# Altium PCB 2019.06.16.master.PcbDoc (part 3 of 5) (continued)
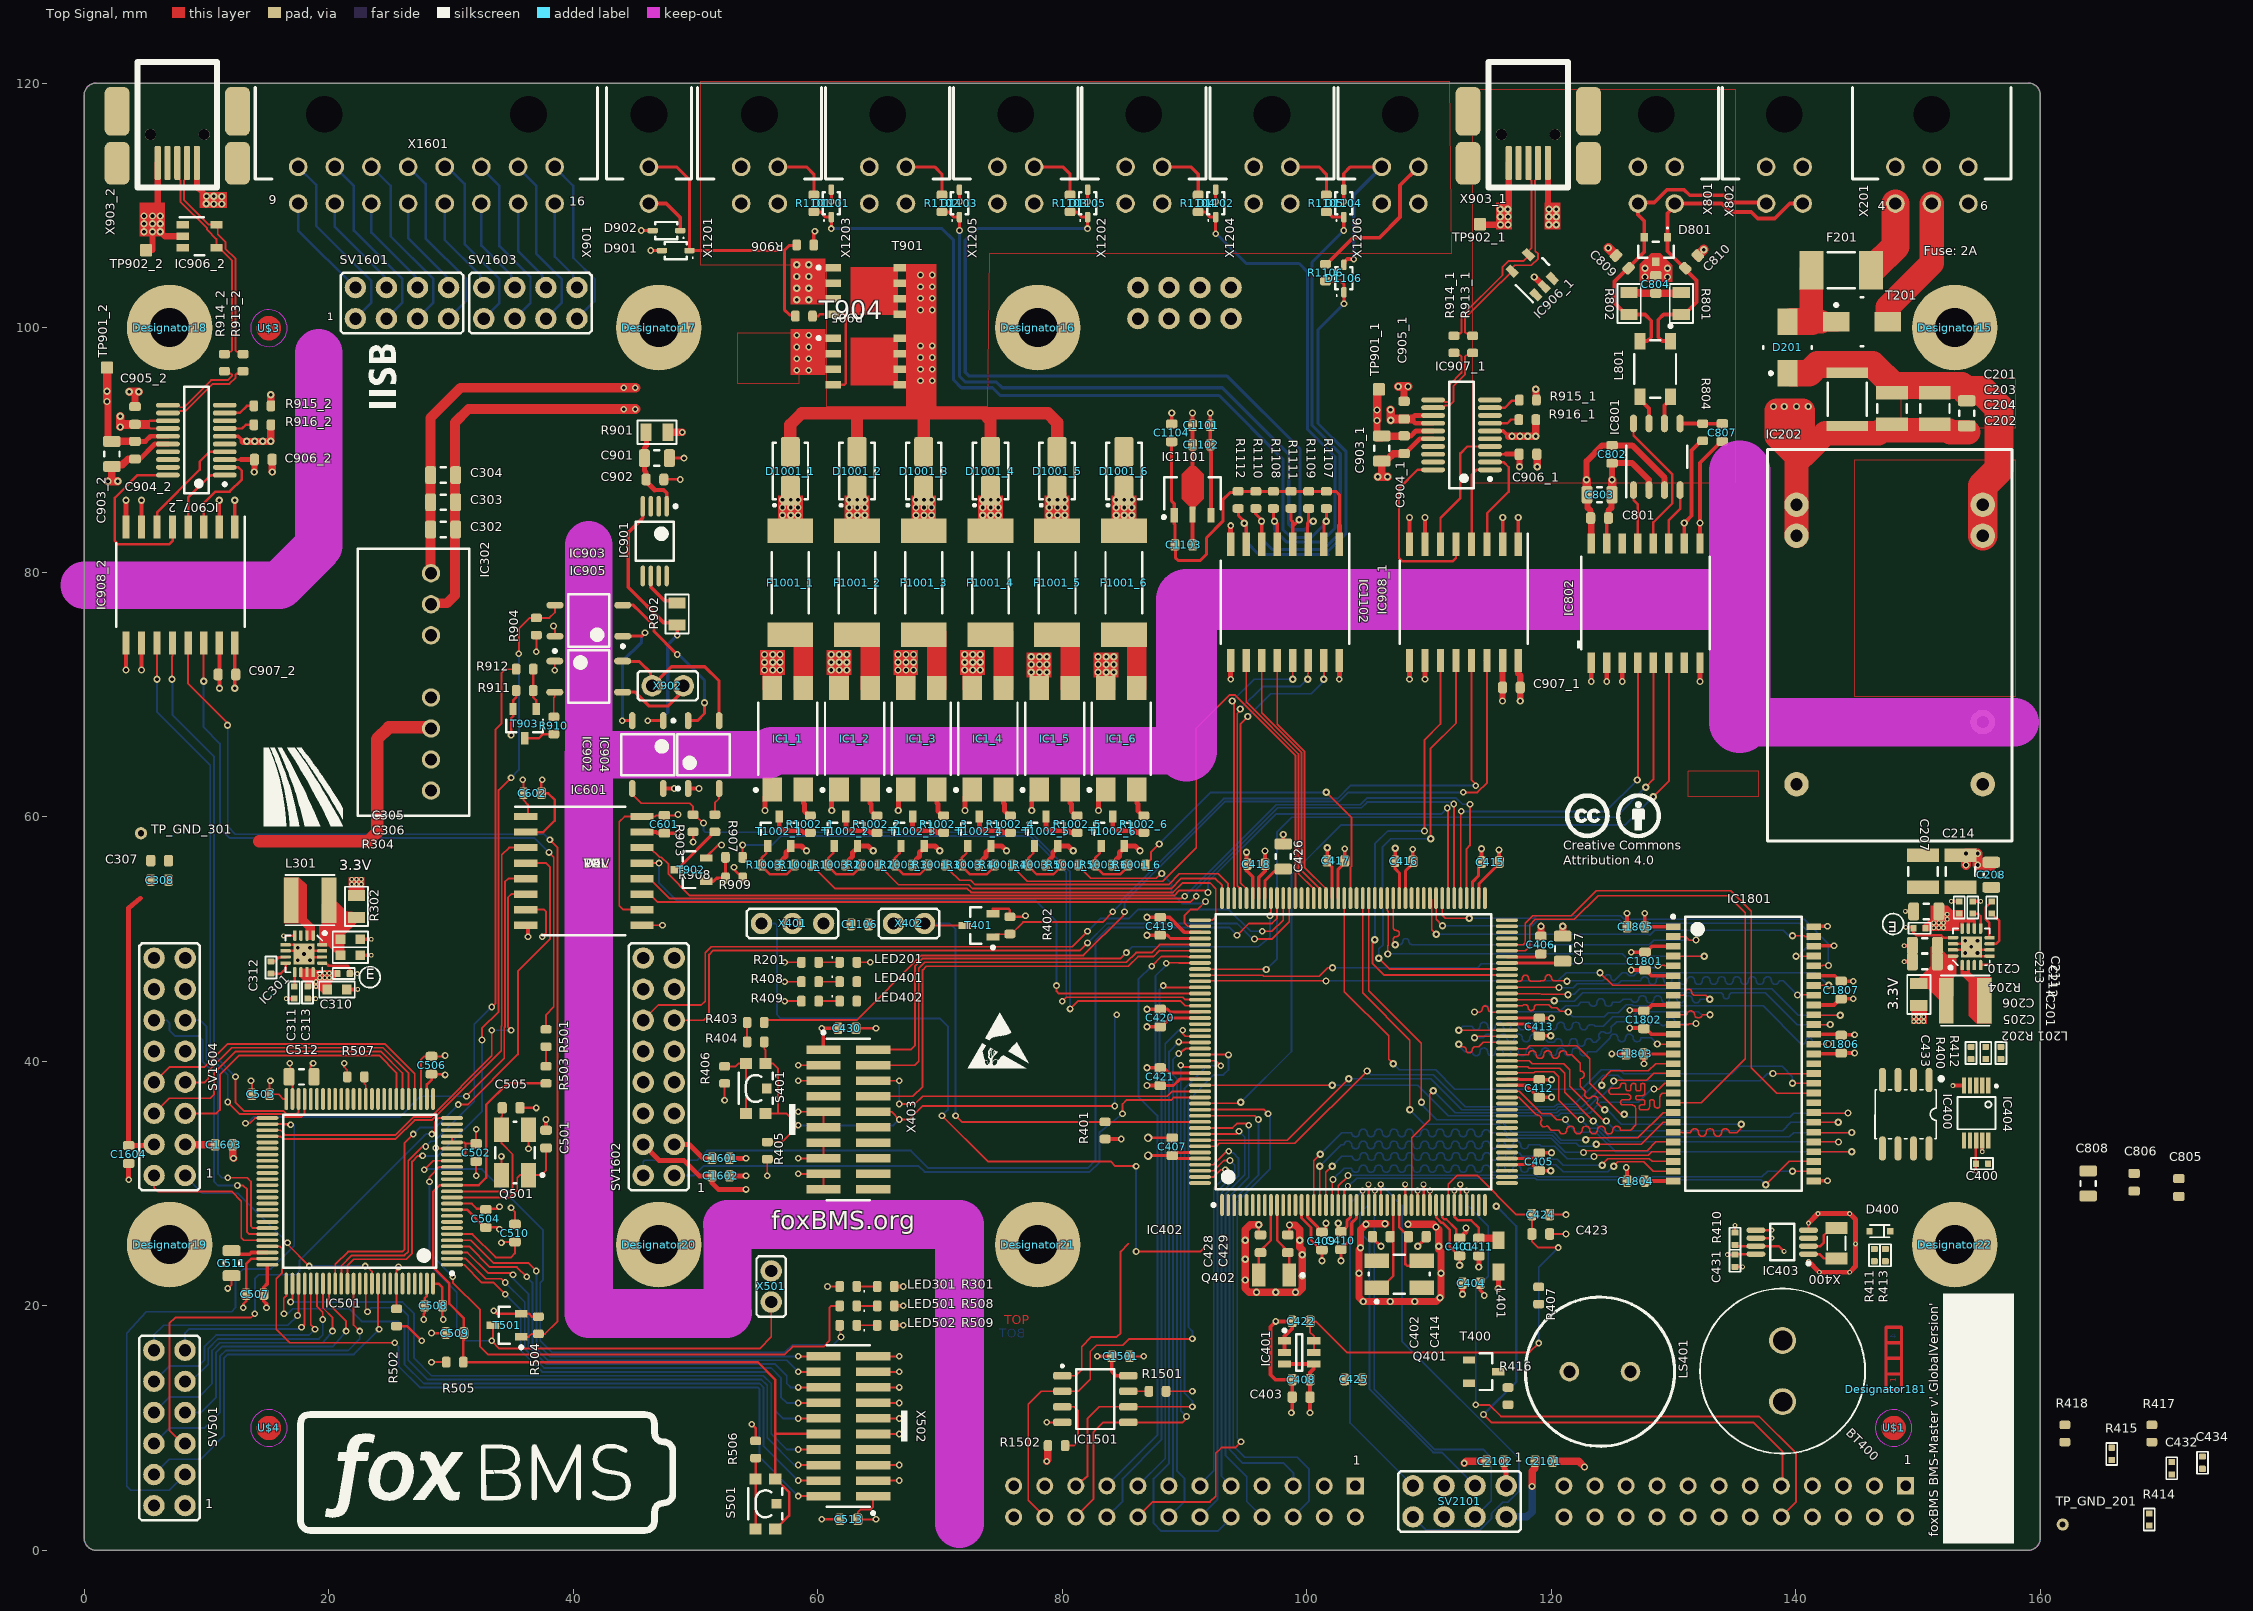
[diagram p0: Top Signal view]
## Nets (pads, with @x,y where several pads share a name; then routed paths per layer and width w, separated by ;. In a path a pad name is that pad's centre, name@x,y a point inside that pad or via, vN(x,y) a via of type N, cw(c..) or ccw(c..) an arc to the next point about the centre after c; other vN are vias at no path point) (continued)
  other v1: 57.125,84.658 57.785,84.658 58.395,84.658 57.125,85.289 57.785,85.289 58.395,85.289 57.125,85.925 57.785,85.925 58.395,85.925
CONTACTOR_0_CONTROL: IC402.133 R1001_1.2 | length 38.2
  Top Signal w0.152: R1001_1.2@59.507,56.038 61.426,54.119 72.231,54.119 72.549,53.801 89.059,53.801 89.842,54.585 92.085,54.585 92.551,54.119 92.551,51.811 92.274,51.534 IC402.133@91.273,51.534
CONTACTOR_0_FEEDBACK: IC402.128 IC1102.15 | length 24.5
  Top Signal w0.152: IC402.128@95.073,53.334 95.073,54.084 94.569,54.587 94.569,67.569 v1(95.186,68.186) ; v1(101.397,71.234) IC1102.15@101.397,72.769
  Bottom Signal w0.152: v1(95.186,68.186) 97.053,70.053 100.381,70.053 101.397,71.069 v1(101.397,71.234) v1@101.397,71.272
CONTACTOR_0_FEEDBACK_EXT: R1101.1 X1201.2 | length 4.9
  Top Signal w0.152: X1201.2@56.745,113.06 56.832,113.06 X1201.2@56.832,113.14
  Top Signal w0.254: X1201.2@56.745,113.14 56.832,113.14 59.089,113.14 59.69,112.539 R1101.1@59.69,111.007
CONTACTOR_1_COIL_POS: D1001_2.1 F1001_2.2 X1203.3 | length 28.2
  Top Signal w1.5: F1001_2.2@63.216,83.371 63.216,84.658 D1001_2.1@63.216,86.333
  Inner Signal w3: v1(63.241,85.289) v1(63.241,85.925) 63.241,92.045 64.223,93.027 X1203.3@64.223,110.145
  other v1: 62.581,84.658 63.241,84.658 63.851,84.658 62.581,85.289 63.851,85.289 62.581,85.925 63.851,85.925
CONTACTOR_1_CONTROL: IC402.132 R1001_2.2 | length 30.3
  Top Signal w0.152: R1001_2.2@64.983,56.058 66.608,54.432 72.349,54.432 72.663,54.119 88.9,54.119 89.712,54.931 92.533,54.931 93.072,54.391 IC402.132@93.072,53.534
CONTACTOR_1_FEEDBACK: IC402.129 IC1102.14 | length 23.6
  Top Signal w0.152: v1(94.566,68.806) 94.566,68.685 94.317,68.436 94.317,54.363 94.573,54.107 IC402.129@94.573,53.534 ; v1(100.076,71.234) 100.081,71.24 100.081,71.672 100.127,71.717 IC1102.14@100.127,72.769
  Bottom Signal w0.152: v1(94.566,68.806) 96.397,70.637 99.441,70.637 100.076,71.272 v1@100.076,71.298
CONTACTOR_1_FEEDBACK_EXT: R1102.1 X1203.2 | length 4.8
  Top Signal w0.152: X1203.2@67.223,113.06 X1203.2@67.223,113.14
  Top Signal w0.254: X1203.2@67.223,113.14 69.566,113.14 70.168,112.539 R1102.1@70.168,111.007
CONTACTOR_2_COIL_POS: D1001_3.1 F1001_3.2 X1205.3 | length 30.3
  Top Signal w1.5: F1001_3.2@68.672,83.371 68.672,84.658 D1001_3.1@68.672,86.333
  Inner Signal w3: v1(68.697,85.289) v1(68.697,85.925) 68.697,87.722 72.542,91.567 72.542,102.669 74.701,104.828 X1205.3@74.701,110.145
  other v1: 68.037,84.658 68.697,84.658 69.307,84.658 68.037,85.289 69.307,85.289 68.037,85.925 69.307,85.925
CONTACTOR_2_CONTROL: IC402.131 R1001_3.2 | length 25.6
  Top Signal w0.152: R1001_3.2@70.439,56.058 70.439,55.958 70.809,55.587 70.812,55.587 71.603,54.796 72.506,54.796 72.866,54.436 88.7,54.436 89.587,55.324 92.775,55.324 93.573,54.526 IC402.131@93.573,53.534
CONTACTOR_2_FEEDBACK: IC402.130 IC1102.13 | length 23.2
  Top Signal w0.152: v1(93.916,69.457) 93.916,69.336 94.063,69.189 94.063,53.543 IC402.130@94.072,53.534 ; v1(98.857,71.234) IC1102.13@98.857,72.769
  Bottom Signal w0.152: v1(93.916,69.457) 95.694,71.234 v1(98.857,71.234)
CONTACTOR_2_FEEDBACK_EXT: R1103.1 X1205.2 | length 4.8
  Top Signal w0.152: X1205.2@77.7,113.06 X1205.2@77.7,113.14
  Top Signal w0.254: X1205.2@77.7,113.14 80.044,113.14 80.645,112.539 R1103.1@80.645,111.007
CONTACTOR_3_COIL_POS: D1001_4.1 F1001_4.2 X1202.3 | length 32.4
  Top Signal w1.5: F1001_4.2@74.128,83.371 74.128,84.658 D1001_4.1@74.128,86.333
  Inner Signal w3: v1(74.154,85.289) v1(74.154,85.925) 74.154,87.565 83.312,96.723 83.312,105.334 85.178,107.2 X1202.3@85.178,110.145
  other v1: 73.493,84.658 74.154,84.658 74.763,84.658 73.493,85.289 74.763,85.289 73.493,85.925 74.763,85.925
CONTACTOR_3_CONTROL: IC402.120 R1001_4.2 | length 49.6
  Top Signal w0.152: R1001_4.2@75.895,56.058 75.895,55.958 77.141,54.712 88.213,54.712 90.96,57.459 90.96,67.213 93.708,69.96 94.124,69.96 99.072,65.012 IC402.120@99.072,53.334
CONTACTOR_3_FEEDBACK: IC402.115 IC1102.12 | length 21.1
  Top Signal w0.152: IC1102.12@97.587,72.769 97.587,67.568 99.83,65.326 99.83,55.827 101.573,54.084 IC402.115@101.573,53.334
CONTACTOR_3_FEEDBACK_EXT: R1104.2 X1202.2 | length 4.8
  Top Signal w0.152: X1202.2@88.178,113.06 X1202.2@88.178,113.14
  Top Signal w0.254: X1202.2@88.178,113.14 90.521,113.14 91.123,112.539 R1104.2@91.123,111.007
CONTACTOR_4_COIL_POS: D1001_5.1 F1001_5.2 X1204.3 | length 39.4
  Top Signal w1.5: F1001_5.2@79.584,83.371 79.584,85.289 D1001_5.1@79.584,86.333
  Inner Signal w3: v1(79.61,85.289) v1(79.61,85.925) 79.61,87.23 89.179,96.799 95.047,96.799 97.485,99.238 97.485,106.197 95.656,108.027 X1204.3@95.656,110.145
  other v1: 78.949,84.658 79.61,84.658 80.219,84.658 78.949,85.289 80.219,85.289 78.949,85.925 80.219,85.925
CONTACTOR_4_CONTROL: IC402.134 R1001_5.2 | length 17.3
  Top Signal w0.152: R1001_5.2@81.351,56.058 81.351,55.958 82.345,54.964 87.706,54.964 88.09,55.348 v1(88.138,55.348) ; IC402.134@91.273,51.034 90.271,51.034 90.011,51.293 90.011,51.937 90.475,52.4 91.059,52.4 v1(91.719,53.061)
  Bottom Signal w0.152: v1(88.138,55.348) 88.924,54.562 88.924,53.777 89.806,52.895 91.885,52.895 v1(91.719,53.061) v1@91.588,53.192
CONTACTOR_4_FEEDBACK: IC402.116 IC1102.11 | length 21.2
  Top Signal w0.152: IC1102.11@96.317,72.769 96.317,68.482 99.577,65.221 99.577,55.579 101.072,54.084 IC402.116@101.072,53.534
CONTACTOR_4_FEEDBACK_EXT: R1105.2 X1204.2 | length 4.9
  Top Signal w0.152: X1204.2@98.655,113.06 98.742,113.06 X1204.2@98.742,113.14
  Top Signal w0.254: X1204.2@98.655,113.14 98.742,113.14 100.999,113.14 101.6,112.539 R1105.2@101.6,111.007
CONTACTOR_5_COIL_POS: D1001_6.1 F1001_6.2 X1206.3 | length 40.4
  Top Signal w1.5: F1001_6.2@85.04,83.371 D1001_6.1@85.04,86.333
  Inner Signal w3: v1(85.066,85.289) v1(85.066,85.925) 85.066,87.123 88.214,90.272 94.793,90.272 106.133,101.612 X1206.3@106.133,110.145
  other v1: 84.405,84.658 85.066,84.658 85.675,84.658 84.405,85.289 85.675,85.289 84.405,85.925 85.675,85.925
CONTACTOR_5_CONTROL: IC402.111 R1001_6.2 | length 27.2
  Top Signal w0.152: R1001_6.2@86.807,56.058 86.807,56.104 87.114,56.411 87.17,56.411 87.259,56.501 87.259,57.08 v1(87.947,57.769) ; v1(101.6,61.985) 103.664,59.922 103.664,55.95 103.573,55.859 IC402.111@103.573,53.334
  Bottom Signal w0.152: v1(87.947,57.769) 92.164,61.985 v1(101.6,61.985)
CONTACTOR_5_FEEDBACK: IC402.117 IC1102.10 | length 21.5
  Top Signal w0.152: IC1102.10@95.047,72.769 95.047,69.395 99.325,65.116 99.325,55.331 100.573,54.084 IC402.117@100.573,53.534
CONTACTOR_5_FEEDBACK_EXT: R1106.2 X1206.2 | length 13
  Top Signal w0.305: R1106.2@101.433,105.193 R1106.2@101.533,105.193 101.633,105.193 103.781,107.34 105.94,107.34 107.632,109.032 107.632,111.643 X1206.2@109.132,113.142 X1206.2@109.614,113.142
CONTACTOR_6_CONTROL: IC402.139 JP2201.17 | length 49.6
  Top Signal w0.152: v2(87.312,47.769) 88.104,48.56 90.244,48.56 90.271,48.534 IC402.139@91.273,48.534
  Bottom Signal w0.152: JP2201.17@83.65,5.27 87.789,9.409 87.789,35.547 86.233,37.102 86.233,46.689 v2(87.312,47.769)
CONTACTOR_6_FEEDBACK: IC402.140 JP2201.18 | length 50.5
  Top Signal w0.152: v2(88.519,48.006) 88.565,48.052 89.511,48.052 89.529,48.034 IC402.140@91.273,48.034
  Bottom Signal w0.152: JP2201.18@83.65,2.73 84.931,4.011 84.931,5.859 88.106,9.034 88.106,37.926 87.63,38.403 87.63,46.975 88.519,47.864 v2(88.519,48.006)
CONTACTOR_7_CONTROL: IC402.144 JP2201.15 | length 45
  Top Signal w0.152: v2(88.265,46.181) 88.413,46.034 IC402.144@91.072,46.034
  Bottom Signal w0.152: JP2201.15@86.19,5.27 88.424,7.504 88.424,38.085 87.947,38.561 87.947,45.864 v2(88.265,46.181)
CONTACTOR_7_FEEDBACK: IC402.164 JP2201.16 | length 47.1
  Top Signal w0.152: JP2201.16@86.19,2.73 87.414,3.954 92.075,3.954 92.551,4.43 92.551,7.923 93.027,8.399 94.139,8.399 v2(94.615,8.875) ; IC402.164@91.072,36.034 96.508,36.034 v2(96.837,35.704)
  Bottom Signal w0.152: v2(94.615,8.875) 94.31,9.18 94.31,28.497 96.996,31.183 96.996,35.545 v2(96.837,35.704)
CONTACTOR_8_CONTROL: IC402.44 JP2202.9 | length 47.4
  Top Signal w0.152: v2(114.459,11.098) 115.094,10.463 136.525,10.463 138.906,8.081 138.906,5.366 JP2202.9@138.812,5.272 JP2202.9@138.81,5.27
  Bottom Signal w0.2: v2(114.459,11.098) 117.136,13.775 117.136,26.501 v1(115.494,28.143)
CONTACTOR_8_FEEDBACK: IC402.45 JP2202.12 | length 0
  Bottom Signal w0.152: JP2202.12@136.27,2.73 JP2202.12@136.272,2.732
CONTACTOR_FEEDBACK_SUPPLY_EXT: C1103.1 C1104.1 IC1101.1 IC1102.1 R1107.2 R1108.2 R1109.2 R1110.2 R1111.2 R1112.2 | length 31.5
  Top Signal w0.254: C1104.1@88.951,90.664 88.951,85.801 89.161,85.591 IC1101.1@89.161,84.651 89.161,83.95 89.211,83.9 C1103.1@89.211,82.224 89.256,82.18 89.256,81.178 89.484,80.95 91.288,80.95 91.796,81.458 91.796,82.804 93.142,84.15 93.142,85.91 93.746,86.514 94.298,86.514 R1112.2@94.386,86.603 R1110.2@95.829,86.603 R1108.2@97.272,86.603 R1111.2@98.715,86.603 R1109.2@100.157,86.603 R1107.2@101.6,86.603 102.397,86.603 102.667,86.333 102.667,83.803
  Top Signal w0.4: IC1102.1@102.667,82.269 102.667,83.803
CONTACTORS_COMMON_NEG: D1001_1.2 D1001_2.2 D1001_3.2 D1001_4.2 D1001_5.2 D1001_6.2 T901.5 T901.6 T901.7 T901.8 T904.5 T904.6 T904.7 T904.8 X1201.4 X1202.4 X1203.4 X1204.4 X1205.4 X1206.4 | length 40.1
  Top Signal w1: D1001_1.2@57.76,89.84 57.76,92.05 58.699,92.989 63.216,92.989 ; D1001_2.2@63.216,89.84 63.216,92.989 ; D1001_3.2@68.672,89.84 68.672,92.989 ; 68.859,94.412 68.672,94.224 ; D1001_4.2@74.128,89.84 74.128,92.404 73.542,92.989 ; D1001_5.2@79.584,89.84 79.584,92.247 78.842,92.989 73.542,92.989 ; 63.216,92.989 67.437,92.989 ; 67.437,92.989 68.672,92.989 ; 67.437,92.989 68.672,94.224 ; 68.672,92.989 68.672,94.224 ; 68.672,92.989 73.542,92.989
  other v2: 68.402,95.644 69.367,95.644 68.402,96.596 69.367,96.596 68.402,97.549 69.367,97.549 68.402,98.501 69.367,98.501 68.402,101.435 69.367,101.435 68.402,102.387 69.367,102.387 68.402,103.34 69.367,103.34 68.402,104.292 69.367,104.292
D_1_N: IC906_1.5 R913_1.2 X903_1.2 | length 18.2
  Top Signal w0.152: R913_1.2@113.569,99.328 113.377,99.52 113.044,99.52 112.955,99.609 112.955,100.806 115.849,103.7 115.849,103.672 IC906_1.5@116.796,104.618 IC906_1.5@116.796,104.904 ; IC906_1.5@116.796,104.935 IC906_1.5@116.796,104.904 ; X903_1.2@118.92,113.464 118.92,112.299 118.672,112.051 118.672,111.425 118.682,111.415 118.682,106.26 118.92,106.023 118.92,105.647 118.373,105.1 116.992,105.1 IC906_1.5@116.796,104.904
D_1_P: IC906_1.4 R914_1.2 X903_1.3 | length 18
  Top Signal w0.152: R914_1.2@112.037,99.328 112.229,99.52 112.561,99.52 112.65,99.609 112.65,100.932 116.016,104.298 116.016,104.971 116.48,105.435 117.69,105.435 118.14,105.885 IC906_1.4@118.14,105.962 IC906_1.4@118.14,106.257 ; IC906_1.4@117.947,106.257 IC906_1.4@118.14,106.257 ; X903_1.3@118.12,113.464 118.12,112.299 118.368,112.051 118.368,111.299 118.377,111.289 118.377,106.505 118.14,106.268 IC906_1.4@118.14,106.257
D_2_N: IC906_2.5 R913_2.2 X903_2.2 | length 18.6
  Top Signal w0.152: X903_2.2@8.425,113.464 8.425,112.299 8.177,112.051 8.177,110.429 10.189,108.417 IC906_2.5@10.824,108.417 11.024,108.417 10.824,108.217 10.936,108.105 10.936,107.631 11.557,107.01 11.557,106.451 12.391,105.616 12.391,98.111 12.481,98.021 12.813,98.021 R913_2.2@13.005,97.83
D_2_P: IC906_2.4 R914_2.2 X903_2.3 | length 18.7
  Top Signal w0.152: X903_2.3@7.625,113.464 7.625,112.299 7.873,112.051 7.873,110.303 10.058,108.117 10.058,108.001 10.824,107.235 10.824,106.661 10.68,106.517 IC906_2.4@10.824,106.517 11.024,106.517 11.248,106.741 11.248,106.329 12.086,105.49 12.086,98.111 11.997,98.021 11.665,98.021 R914_2.2@11.473,97.83
DATA_STORAGE_SPI_EEPROM_CS: IC402.7 IC1501.1 | length 14.9
  Top Signal w0.152: IC1501.1@79.969,14.273 IC1501.1@80.009,14.273 81.121,14.273 81.597,14.749 81.597,16.654 82.391,17.448 84.455,17.448 84.772,17.765 84.772,24.433 85.407,25.068
DATA_STORAGE_SPI_Memory_NSS: IC402.11 JP2201.24
DATA_STORAGE_SPI_MISO: IC402.155 IC1501.2 JP2201.22 | length 54.5
  Top Signal w0.152: JP2201.22@78.57,2.729 77.216,4.083 77.216,11.938 78.281,13.003 IC1501.2@80.009,13.003 81.329,13.003 82.296,13.97 82.296,16.256 82.804,16.764 84.963,16.764 85.488,17.289 v2(90.646,17.289) ; IC402.155@91.072,40.534 93.578,40.534 v2(93.599,40.513)
  Bottom Signal w0.152: v2(90.646,17.289) 90.646,17.924 90.329,18.241 90.329,36.815 92.392,38.879 93.186,38.879 93.599,39.292 v2(93.599,40.513)
DATA_STORAGE_SPI_MOSI: IC402.157 IC1501.5 JP2201.20 | length 46.1
  Top Signal w0.152: JP2201.20@81.11,2.73 82.55,4.17 82.55,9.669 83.344,10.463 IC1501.5@85.409,10.463 89.852,10.463 90.17,10.78 v2(90.17,10.939) ; v2(89.694,39.673) 89.832,39.534 IC402.157@91.072,39.534
  Bottom Signal w0.152: v2(89.694,39.673) 89.694,11.415 v2(90.17,10.939)
DATA_STORAGE_SPI_SCK: IC402.156 IC1501.6 JP2201.19 | length 46.8
  Top Signal w0.152: JP2201.19@81.11,5.27 82.074,6.075 82.074,10.78 83.026,11.733 IC1501.6@85.409,11.733 v2(90.646,11.733) ; IC402.156@91.273,40.034 92.554,40.034 v2(92.964,39.624)
  Bottom Signal w0.152: v2(90.646,11.733) 90.646,12.209 90.011,12.844 90.011,37.768 91.868,39.624 v2(92.964,39.624)
DEBUG_LED_0_MCU_0: IC402.35 LED402.2 | length 1.3
  Top Signal w0.2: IC402.35@110.073,28.234 v4@110.073,29.52
  other v4: 110.073,29.412
DEBUG_LED_0_MCU_1: IC501.18 LED502.2 | length 50.3
  Top Signal w0.152: v2(27.813,31.115) 28.552,31.854 IC501.18@30.293,31.854 ; LED502.2@61.8,18.4 61.8,17.56 v2(61.912,17.448)
  Bottom Signal w0.152: v2(27.813,31.115) 27.876,31.178 32.535,31.178 37.543,26.17 37.543,22.129 37.306,21.893 37.306,17.13 38.259,16.178 57.309,16.178 57.944,16.813 61.277,16.813 v2(61.912,17.448)
DEBUG_LED_1_MCU_0: IC402.34 LED401.2 | length 1.7
  Top Signal w0.2: IC402.34@109.573,28.234 v4@109.572,29.903
  other v4: 109.549,29.926
DEBUG_LED_1_MCU_1: IC501.17 LED501.2 | length 50.8
  Top Signal w0.152: v2(28.258,30.148) 28.258,30.543 29.068,31.354 IC501.17@30.293,31.354 ; v2(30.162,22.369) 30.162,21.893 32.385,19.67 32.385,16.654 33.02,16.019 57.309,16.019 57.944,16.654 60.484,16.654 60.96,17.13 60.96,19.829 61.119,19.988 LED501.2@61.75,19.988
  Bottom Signal w0.152: v2(28.258,30.148) 28.258,24.274 v2(30.162,22.369)
EN_3.3_0: IC201.13 R204.1 | length 4.4
  Top Signal w0.2: v3(148.988,50.947) R204.1@149.615,50.947 ; R204.1@149.614,50.876 149.614,50.522 149.839,50.297 151.875,50.297 152.075,50.097 IC201.13@152.881,50.097
EN_3.3_1: IC301.13 R304.1 | length 3.4
  Top Signal w0.2: IC301.13@19.458,48.018 19.783,48.018 19.983,47.818 21.533,47.818 21.733,47.618 R304.1@21.733,47.268 ; R304.1@21.733,47.168 v3(22.361,47.168)
FB_EXT_0: D1101.1 IC1102.2 R1101.2 R1107.1 | length 67.3
  Top Signal w0.254: R1101.2@59.69,109.458 60.242,109.458 60.667,109.032 D1101.1@61.119,109.032 v2(61.119,108.094) ; IC1102.2@101.397,82.269 101.397,84.06 101.6,84.263 R1107.1@101.6,85.203
  Bottom Signal w0.254: v2(61.119,108.094) 70.168,108.094 71.12,107.141 71.12,95.711 71.755,95.076 74.295,95.076 74.93,94.441 92.833,94.441 98.044,89.23 98.044,83.49 98.71,82.824 100.371,82.824 101.698,84.15 v1@101.698,84.277
  other v1: 101.6,84.15
FB_EXT_1: D1103.1 IC1102.3 R1102.2 R1109.1 | length 55.4
  Top Signal w0.254: R1102.2@70.168,109.458 70.719,109.458 71.144,109.032 D1103.1@71.596,109.032 v2(71.596,107.935) ; IC1102.3@100.127,82.269 100.076,82.32 100.076,84.026 100.157,84.107 R1109.1@100.157,85.203
  Bottom Signal w0.254: v2(71.596,107.935) 71.596,96.029 72.072,95.553 74.612,95.553 75.089,95.076 93.096,95.076 98.527,89.646 98.527,83.922 98.984,83.464 99.847,83.464 v1(100.533,84.15)
FB_EXT_2: D1105.1 IC1102.4 R1103.2 R1111.1 | length 63.2
  Top Signal w0.254: R1103.2@80.645,109.458 81.197,109.458 81.622,109.032 D1105.1@82.074,109.032 v2(82.074,108.094) ; R1111.1@98.715,85.203 98.715,84.249 98.857,84.107 98.857,83.757 ; IC1102.4@98.857,82.269 98.857,83.757 ; v1(99.377,84.277) 98.857,83.757
  Bottom Signal w0.254: v2(82.074,108.094) 73.025,108.094 72.072,107.141 72.072,96.346 72.39,96.029 93.491,96.029 99.441,90.078 v1@99.441,84.277
FB_EXT_3: D1102.1 IC1102.5 R1104.1 R1108.1 | length 42.9
  Top Signal w0.254: R1104.1@91.123,109.457 91.674,109.457 92.099,109.032 D1102.1@92.551,109.032 v2(92.551,107.671) ; R1108.1@97.272,85.203 97.272,84.306 97.587,83.991 IC1102.5@97.587,82.269
  Bottom Signal w0.254: v2@92.616,107.671 95.051,105.236 99.377,105.236 100.076,104.538 100.076,91.669 102.311,89.433 102.311,83.591 101.19,82.47 98.327,82.47 97.358,83.439 v1@97.358,83.896
  other v1: 97.358,84.15
FB_EXT_4: D1104.1 IC1102.6 R1105.1 R1110.1 | length 41.1
  Top Signal w0.254: R1110.1@95.829,85.203 95.829,84.751 96.317,84.263 IC1102.6@96.317,82.269 ; R1105.1@101.6,109.457 101.7,109.457 102.125,109.032 D1104.1@103.029,109.032 v2(103.029,107.935)
  Bottom Signal w0.254: v1@96.291,83.896 96.291,82.728 97.155,81.864 101.397,81.864 102.743,83.21 102.743,89.687 100.43,92 100.43,105.336 v2(103.029,107.935)
  other v1: 96.291,84.15
FB_EXT_5: D1106.1 IC1102.7 R1106.1 R1112.1 | length 38
  Top Signal w0.254: R1112.1@94.386,85.203 94.417,85.172 94.417,84.621 95.047,83.991 IC1102.7@95.047,82.269 ; R1106.1@101.533,103.793 102.789,103.793 103.041,103.541 D1106.1@103.041,102.892 v2(103.041,101.953)
  Bottom Signal w0.254: v1@95.051,83.803 95.051,82.47 96.088,81.432 101.774,81.432 101.62,81.587 103.217,83.184 103.217,89.848 100.914,92.151 100.914,99.826 v2(103.041,101.953)
  other v1: 94.894,83.998
FMC_MCU_0_RAM_A0: IC402.16 IC1801.23 | length 41.7
  Top Signal w0.12: IC402.16@100.573,28.234 100.573,31.866 v1(101.092,32.385) ; v1@122.432,32.69 v1@122.437,32.694 ; v1(122.631,32.537) 122.594,32.537 v1@122.437,32.694 ; IC1801.23@129.966,33.396 128.544,33.396 127.838,32.69 123.693,32.69 123.689,32.694 123.286,32.694 123.281,32.69 122.845,32.69 122.84,32.694 v1@122.437,32.694
  Bottom Signal w0.12: v1(101.092,32.385) 102.845,34.138 103.049,34.138 103.677,34.138 ccw(c103.991,34.138) 104.305,34.138 cw(c104.619,34.138) 104.933,34.138 ccw(c105.247,34.138) 105.561,34.138 cw(c105.875,34.138) 106.189,34.138 ccw(c106.503,34.138) 106.817,34.138 cw(c107.131,34.138) 107.445,34.138 ccw(c107.759,34.138) 108.073,34.138 cw(c108.387,34.138) 108.701,34.138 ccw(c109.015,34.138) 109.329,34.138 cw(c109.643,34.138) 109.957,34.138 ccw(c110.271,34.138) 110.585,34.138 cw(c110.899,34.138) 111.213,34.138 ccw(c111.527,34.138) 111.841,34.138 cw(c112.155,34.138) 112.469,34.138 ccw(c112.783,34.138) 113.097,34.138 cw(c113.411,34.138) 113.725,34.138 ccw(c114.039,34.138) 114.353,34.138 cw(c114.667,34.078) 114.981,34.138 115.24,34.138 116.027,34.138 116.463,33.701 119.985,33.701 121.148,32.537 v1(122.631,32.537)
FMC_MCU_0_RAM_A1: IC402.17 IC1801.24 | length 42.6
  Top Signal w0.12: IC402.17@101.072,28.234 v1(101.072,31.418) 100.936,31.554 v1@101.244,31.554 ; v1(123.487,32.207) 123.589,32.309 127.945,32.309 128.231,32.596 IC1801.24@129.966,32.596
  Bottom Signal w0.12: v1(101.072,31.418) 102.802,33.147 103.049,33.147 cw(c103.363,33.147) 103.677,33.147 ccw(c103.991,33.147) 104.305,33.147 cw(c104.619,33.147) 104.933,33.147 ccw(c105.247,33.147) 105.561,33.147 cw(c105.875,33.147) 106.189,33.147 ccw(c106.503,33.147) 106.817,33.147 cw(c107.131,33.147) 107.445,33.147 ccw(c107.759,33.147) 108.073,33.147 cw(c108.387,33.147) 108.701,33.147 ccw(c109.015,33.147) 109.329,33.147 cw(c109.643,33.147) 109.957,33.147 ccw(c110.271,33.147) 110.585,33.147 cw(c110.899,33.147) 111.213,33.147 ccw(c111.527,33.147) 111.841,33.147 cw(c112.155,33.147) 112.469,33.147 ccw(c112.783,33.147) 113.097,33.147 cw(c113.411,33.147) 113.725,33.147 ccw(c114.039,33.147) 114.353,33.147 cw(c114.667,33.147) 114.981,33.147 ccw(c115.295,33.147) 115.609,33.147 cw(c115.923,33.147) 116.237,33.147 ccw(c116.551,33.147) 116.865,33.147 cw(c117.179,33.147) 117.493,33.147 ccw(c117.807,33.147) 118.121,33.147 118.389,33.147 119.075,33.147 119.177,33.045 120.301,33.045 121.313,32.034 123.314,32.034 v1(123.487,32.207)
FMC_MCU_0_RAM_A2: IC402.18 IC1801.25 | length 40.2
  Top Signal w0.12: IC402.18@101.573,28.234 101.573,30.918 v1(102.072,31.418) ; v1(124.153,31.491) 124.153,31.565 124.618,32.029 128.005,32.029 128.239,31.796 IC1801.25@129.966,31.796
  Bottom Signal w0.12: v1(102.072,31.418) 102.862,32.207 103.099,32.207 103.727,32.207 ccw(c104.041,32.207) 104.355,32.207 cw(c104.669,32.207) 104.983,32.207 ccw(c105.297,32.207) 105.611,32.207 cw(c105.925,32.207) 106.239,32.207 ccw(c106.553,32.207) 106.867,32.207 cw(c107.181,32.207) 107.495,32.207 ccw(c107.809,32.207) 108.123,32.207 cw(c108.437,32.207) 108.751,32.207 ccw(c109.065,32.207) 109.379,32.207 cw(c109.693,32.207) 110.007,32.207 ccw(c110.321,32.207) 110.635,32.207 cw(c110.949,32.207) 111.263,32.207 ccw(c111.577,32.207) 111.891,32.207 cw(c112.205,32.207) 112.519,32.207 ccw(c112.833,32.207) 113.147,32.207 cw(c113.461,32.207) 113.775,32.207 ccw(c114.089,32.207) 114.403,32.207 cw(c114.717,32.207) 115.031,32.207 ccw(c115.345,32.207) 115.659,32.207 cw(c115.973,32.207) 116.287,32.207 ccw(c116.601,32.207) 116.915,32.207 cw(c117.229,32.207) 117.543,32.207 118.135,32.207 118.547,32.207 118.765,31.99 120.494,31.99 120.993,31.491 v1(124.153,31.491)
FMC_MCU_0_RAM_A3: IC402.19 IC1801.26 | length 38.7
  Top Signal w0.12: IC402.19@102.072,28.234 102.072,30.244 v1(102.145,30.317) ; v1(125.103,31.418) 125.454,31.769 127.548,31.769 128.321,30.996 IC1801.26@129.966,30.996
  Bottom Signal w0.12: v1(102.145,30.317) 102.145,30.334 103.049,31.238 103.677,31.238 ccw(c103.991,31.238) 104.305,31.238 cw(c104.619,31.193) 104.933,31.238 ccw(c105.247,31.238) 105.561,31.238 cw(c105.875,31.193) 106.189,31.238 ccw(c106.503,31.238) 106.817,31.238 cw(c107.131,31.193) 107.445,31.238 ccw(c107.759,31.238) 108.073,31.238 cw(c108.387,31.193) 108.701,31.238 ccw(c109.015,31.238) 109.329,31.238 cw(c109.643,31.193) 109.957,31.238 ccw(c110.271,31.238) 110.585,31.238 cw(c110.899,31.193) 111.213,31.238 ccw(c111.527,31.238) 111.841,31.238 cw(c112.155,31.193) 112.469,31.238 ccw(c112.783,31.238) 113.097,31.238 cw(c113.411,31.193) 113.725,31.238 ccw(c114.039,31.238) 114.353,31.238 cw(c114.667,31.193) 114.981,31.238 ccw(c115.295,31.238) 115.609,31.238 cw(c115.923,31.193) 116.237,31.238 ccw(c116.551,31.238) 116.865,31.238 cw(c117.179,31.193) 117.493,31.238 ccw(c117.807,31.238) 118.121,31.238 118.491,31.238 118.639,31.238 118.948,31.547 120.376,31.547 120.981,30.941 124.626,30.941 v1(125.103,31.418)
FMC_MCU_0_RAM_A4: IC402.20 IC1801.29 | length 41.1
  Top Signal w0.12: IC402.20@102.573,28.234 102.573,29.792 103.378,30.597 v1(103.378,30.653) ; v1(139.725,30.996) IC1801.29@141.466,30.996
  Bottom Signal w0.12: v1(103.378,30.653) 103.378,30.631 103.403,30.656 118.778,30.656 118.901,30.534 137.232,30.534 137.693,30.996 v1(139.725,30.996)
FMC_MCU_0_RAM_A5: IC402.21 IC1801.30 | length 42.3
  Top Signal w0.12: IC402.21@103.072,28.234 103.072,29.412 v4@103.452,29.792 ; v1(137.528,29.896) 137.541,29.896 139.441,31.796 IC1801.30@141.466,31.796
  Top Signal w0.2: IC402.21@103.072,28.234 103.073,29.52
  Bottom Signal w0.12: v4@103.452,29.792 104.076,30.416 118.679,30.416 118.801,30.294 137.13,30.294 v1(137.528,29.896)
  other v4: 103.363,29.792
FMC_MCU_0_RAM_A6: IC402.60 IC1801.31 | length 33.5
  Top Signal w0.12: IC402.60@116.372,37.534 117.374,37.534 119.204,35.704 119.967,35.704 120.444,35.228 v1(121.158,35.228) ; IC1801.31@141.466,32.596 v1(144.577,32.596)
  Bottom Signal w0.12: v1(121.158,35.228) 121.158,35.044 122.021,34.181 123.632,34.181 123.735,34.078 123.77,34.078 125.252,32.596 v1(144.577,32.596)
FMC_MCU_0_RAM_A7: IC402.63 IC1801.32 | length 32.7
  Top Signal w0.12: IC402.63@116.372,39.034 118.569,39.034 118.688,39.153 120.183,39.153 120.625,38.711 120.625,36.813 122.21,35.228 v1(122.428,35.228) ; IC1801.32@141.466,33.396 v1(143.482,33.396)
  Bottom Signal w0.12: v1(122.428,35.228) 123.147,34.508 123.679,34.508 124.792,33.396 v1(143.482,33.396)
FMC_MCU_0_RAM_A8: IC402.64 IC1801.33 | length 34.8
  Top Signal w0.12: IC402.64@116.372,39.534 118.091,39.534 118.209,39.415 120.697,39.415 121.082,39.03 121.082,37.445 v1(123.421,35.106) ; IC1801.33@141.466,34.196 141.499,34.163 v1(144.577,34.163)
  Bottom Signal w0.12: v1(123.421,35.106) 124.719,33.807 139.464,33.807 139.82,34.163 v1(144.577,34.163)
FMC_MCU_0_RAM_A9: IC402.65 IC1801.34 | length 32.5
  Top Signal w0.12: IC402.65@116.372,40.034 118.203,40.034 118.441,39.796 121.005,39.796 121.5,39.301 121.5,37.932 124.329,35.103 v1(124.485,35.103) ; IC1801.34@141.466,34.996 143.463,34.996 v1(143.465,34.993)
  Bottom Signal w0.12: v1(124.485,35.103) 125.273,34.315 138.913,34.315 139.59,34.993 v1(143.465,34.993)
FMC_MCU_0_RAM_A10: IC402.66 IC1801.22 | length 33.3
  Top Signal w0.12: IC402.66@116.372,40.534 118.135,40.534 cw(c118.449,40.534) 118.763,40.534 ccw(c119.077,40.534) 119.391,40.534 cw(c119.705,40.534) 120.019,40.534 ccw(c120.333,40.534) 120.647,40.534 cw(c120.961,40.534) 121.275,40.534 121.673,40.534 122.377,39.829 122.377,39.201 cw(c122.377,38.887) 122.377,38.573 122.377,37.945 ; 122.377,37.944 122.821,37.5 ccw(c123.043,37.278) 123.265,37.056 cw(c123.487,36.834) 123.709,36.612 124.153,36.168 124.255,36.066 124.304,36.017 v1(124.381,36.017) ; IC1801.22@129.966,34.196 130.668,34.196 130.7,34.163 130.835,34.163 131.411,34.163 cw(c131.725,34.163) 132.039,34.163 ccw(c132.353,34.163) 132.667,34.163 cw(c132.981,34.163) 133.295,34.163 ccw(c133.609,34.163) 133.923,34.163 cw(c134.237,34.163) 134.551,34.163 135.179,34.163 135.48,34.464 135.48,34.794 v1(135.534,34.849)
  Bottom Signal w0.12: v1(124.381,36.017) 124.557,36.017 125.726,34.849 v1(135.534,34.849)
FMC_MCU_0_RAM_A11: IC402.67 IC1801.35 | length 34.6
  Top Signal w0.12: IC402.67@116.372,41.034 117.977,41.034 118.218,41.275 122.07,41.275 123.135,40.21 123.135,38.189 125.662,35.662 v1(125.959,35.662) ; IC1801.35@141.466,35.759 v1(144.272,35.759)
  Bottom Signal w0.12: v1(125.959,35.662) 126.035,35.662 126.289,35.408 139.497,35.408 139.848,35.759 v1(144.272,35.759)
FMC_MCU_0_RAM_BA0: IC402.108 IC1801.20 | length 41.6
  Top Signal w0.12: IC402.108@105.072,53.334 105.072,45.759 109.379,41.453 v1(109.379,36.645) ; v1(122.821,33.58) 122.821,33.586 122.689,33.718 127.063,33.718 129.141,35.796 IC1801.20@129.966,35.796
  Bottom Signal w0.12: v1(109.379,36.645) 109.379,36.484 110.635,35.228 115.775,35.228 116.822,34.181 120.184,34.181 120.831,33.534 122.775,33.534 v1(122.821,33.58)
FMC_MCU_0_RAM_BA1: IC402.109 IC1801.21 | length 42.5
  Top Signal w0.12: IC402.109@104.573,53.334 104.573,45.592 108.437,41.728 v1(108.437,36.017) ; v1(123.673,33.198) 127.34,33.198 129.138,34.996 IC1801.21@129.966,34.996
  Bottom Signal w0.12: v1(108.437,36.017) 109.624,34.83 115.674,34.83 116.563,33.941 120.084,33.941 120.731,33.294 122.055,33.294 122.302,33.047 123.522,33.047 v1(123.673,33.198)
FMC_MCU_0_RAM_D0: IC402.104 IC1801.2 | length 31.8
  Top Signal w0.12: IC402.104@107.072,53.334 107.072,50.94 ccw(c107.322,50.94) 107.322,50.69 cw(c107.322,50.44) 107.322,50.19 ccw(c107.322,49.94) 107.072,49.94 107.072,49.686 v1(107.225,49.534) ; IC1801.2@129.966,50.196 131.012,50.196 131.297,49.911 v1(131.836,49.911)
  Bottom Signal w0.12: v1(107.225,49.534) 107.606,49.534 ccw(c107.606,49.784) 107.856,49.784 cw(c108.106,49.784) 108.356,49.784 ccw(c108.606,49.784) 108.606,49.534 128.02,49.534 128.397,49.911 v1(131.836,49.911)
FMC_MCU_0_RAM_D1: IC402.105 IC1801.4 | length 33.3
  Top Signal w0.12: IC402.105@106.573,53.334 106.573,52.332 106.667,52.238 106.667,49.467 106.63,49.43 v1(106.63,48.768) ; IC1801.4@129.966,48.596 v1(132.512,48.596)
  Bottom Signal w0.12: v1(106.63,48.768) 106.641,48.78 125.8,48.78 126.18,48.399 126.76,48.399 126.957,48.596 v1(132.512,48.596)
FMC_MCU_0_RAM_D2: IC402.142 IC1801.5 | length 39.4
  Top Signal w0.12: IC402.142@91.273,47.034 96.405,47.034 96.476,46.963 101.04,46.963 101.727,47.65 v1(102.104,47.65) ; v1(128.727,47.828) 129.232,47.828 129.265,47.796 IC1801.5@129.966,47.796
  Bottom Signal w0.12: v1(102.104,47.65) 113.97,47.65 114.288,47.969 127.284,47.969 127.603,47.65 128.549,47.65 v1(128.727,47.828)
FMC_MCU_0_RAM_D3: IC402.143 IC1801.7 | length 39.5
  Top Signal w0.12: IC402.143@91.273,46.534 91.348,46.609 91.397,46.56 v1(101.573,46.56) ; v1(123.977,47.244) 125.026,46.196 IC1801.7@129.966,46.196
  Bottom Signal w0.12: v1(101.573,46.56) 120.251,46.56 120.3,46.609 120.376,46.533 120.403,46.56 120.525,46.56 121.209,47.244 v1(123.977,47.244)